# Allegro board RK_TABLET_DEMO1_RK3576_LP4XD200P132SD6_V12_20240530YWQ.brd (continued)
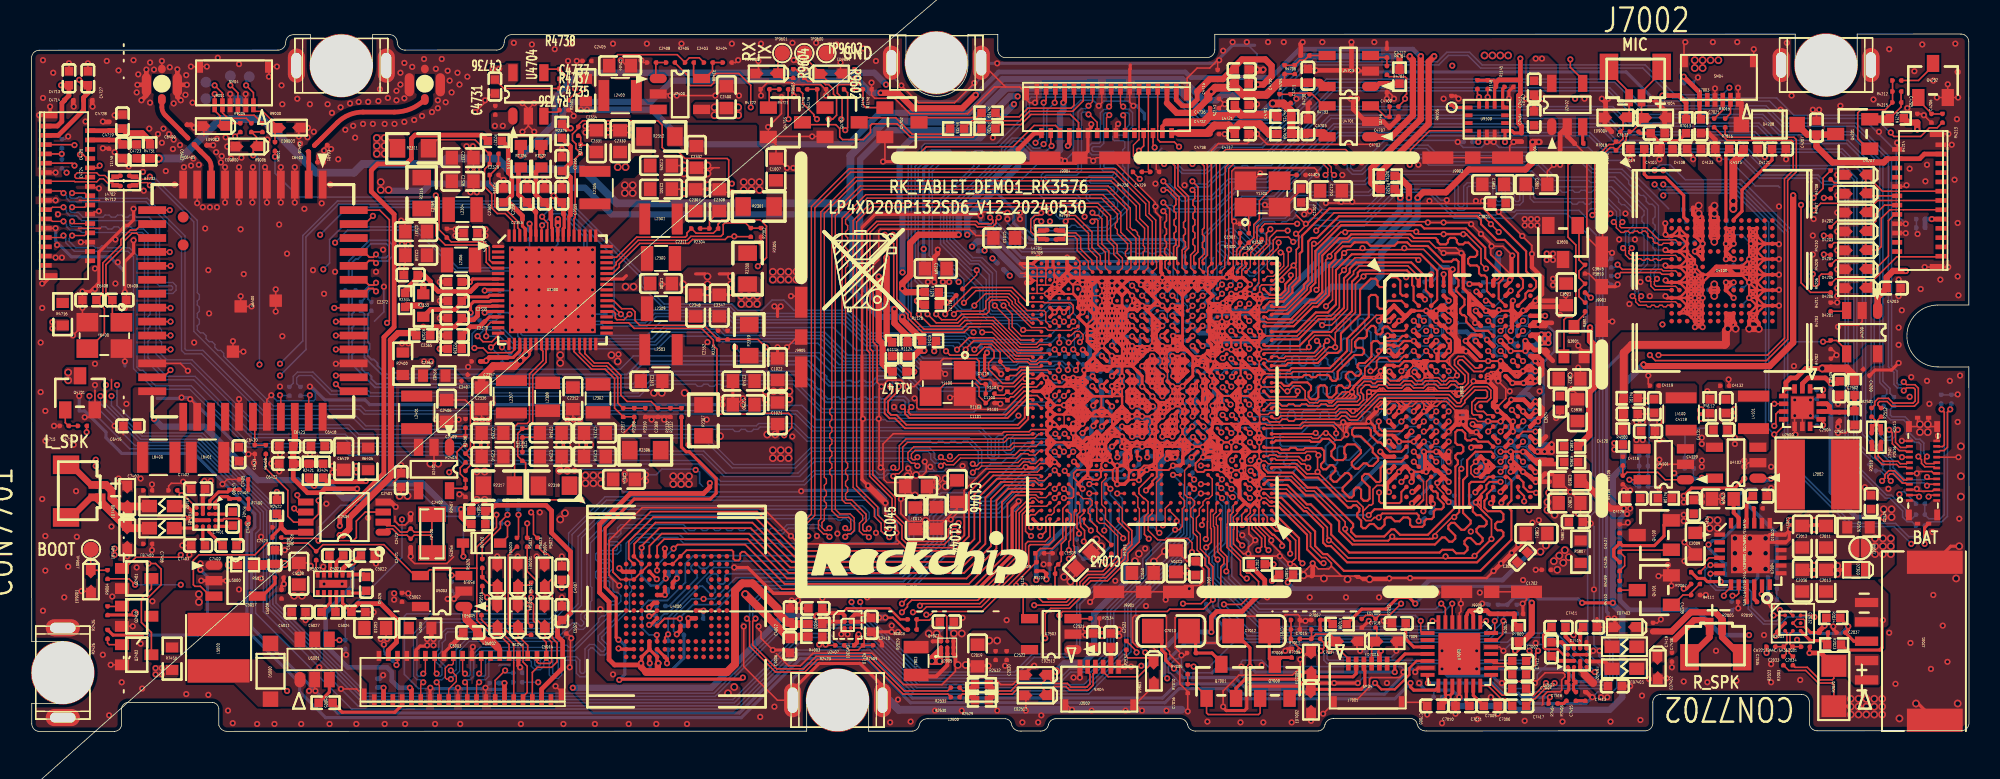
[diagram p0: board, top side]
## Routing (per net, layer and track width the routed paths; a pad name or vN(x,y) marks a point on that pad's centre or on a via; arc(x,y) is an arc through that point) (continued)
PCIE0_RXN: length 52.3
  TOP w0.117: U1000.R29 64.57,21.47 64.21,21.47 62.98,20.24 56.64,20.24 56.37,20.51 56.37,20.8 v1(56.21,20.95)
  BOTTOM w0.117: C6412.2 20.47,28.28 20.47,23.93 22.17,22.22 38.92,22.22 39.73,23.04 49.51,23.04 51.29,21.26 55.25,21.26 55.4,21.41 56.25,21.41 56.38,21.28 56.38,21.12 v1(56.21,20.95)
PCIE0_RXP: length 53.6
  TOP w0.102: U1000.R28 64.89,21.69 64.52,21.69
  TOP w0.117: 64.52,21.69 64.12,21.69 62.89,20.47 56.73,20.47 56.59,20.61 56.59,20.77 v1(56.77,20.95)
  BOTTOM w0.117: v1(56.77,20.95) 56.6,21.12 56.6,21.38 56.35,21.64 55.31,21.64 55.16,21.48 54.83,21.48 54.72,21.59 54.39,21.59 54.28,21.48 53.95,21.48 53.84,21.59 53.51,21.59 53.41,21.48 53.08,21.48 52.97,21.59 52.64,21.59 52.53,21.48 52.19,21.48 52.08,21.59 51.75,21.59 51.64,21.48 51.38,21.48 51.14,21.72 51.14,21.87 50.91,22.1 50.76,22.1 50.53,22.33 50.53,22.49 50.29,22.72 50.14,22.72 49.6,23.26 39.64,23.26 38.82,22.45 22.26,22.45 21.94,22.77 21.94,22.92 21.7,23.15 21.55,23.15 21.31,23.4 21.31,23.55 21.07,23.78 20.92,23.78 20.69,24.02 20.69,24.35 20.8,24.45 20.8,24.78 20.69,24.89 20.69,25.22 20.8,25.33 20.8,25.66 20.69,25.77 20.69,26.1 20.8,26.2 20.8,26.53 20.69,26.64 20.69,26.97 20.8,27.08 20.8,27.41 20.69,27.51 20.69,28.28 C6411.2
PCIE0_TXN: length 53
  TOP w0.102: 64.44,21.15 64.89,21.15 U1000.P28
  TOP w0.117: v1(55.96,22.28) 55.81,22.12 55.81,21.87 55.27,21.33 55.27,20.63 55.45,20.45 55.81,20.45 56.45,19.81 63.64,19.81 64.09,20.25 64.09,20.9 64.33,21.15 64.44,21.15
  BOTTOM w0.117: v1(55.96,22.28) 55.78,22.46 55.78,22.71 55.53,22.96 54.6,22.96 54.19,22.55 53.86,22.55 53.75,22.66 53.42,22.66 53.32,22.55 52.99,22.55 52.88,22.66 52.55,22.66 52.44,22.55 51.53,22.55 51.3,22.78 51.3,22.93 51.06,23.17 50.91,23.17 50.16,23.92 39.28,23.92 38.42,23.06 23.78,23.06 23.67,23.16 23.34,23.16 23.23,23.06 22.9,23.06 22.32,23.64 22.32,23.79 22.09,24.02 21.94,24.02 21.7,24.26 21.7,24.59 21.81,24.69 21.81,25.02 21.7,25.13 21.7,26.96 C6414.2
PCIE0_TXP: length 52.2
  TOP w0.117: U1000.P29 64.56,20.92 64.43,20.92 64.31,20.81 64.31,20.16 63.73,19.58 56.35,19.58 55.71,20.22 55.36,20.22 55.04,20.54 55.04,21.42 55.58,21.96 55.58,22.09 v1(55.4,22.28)
  BOTTOM w0.117: v1(55.4,22.28) 55.56,22.43 55.56,22.62 55.44,22.73 54.69,22.73 54.28,22.33 51.44,22.33 50.07,23.7 39.37,23.7 38.51,22.83 22.81,22.83 21.48,24.17 21.48,26.96 C6413.2
PCIE0_WAKEN_M1: length 85.3
  TOP w0.102: v1(8.97,23.34) 8.51,22.88 7.8,22.88 U6400.24 ; v1(56.87,7.7) 57.39,7.7 57.75,8.05 61.29,8.05 64.14,10.9 64.14,12.12 64.29,12.27 65.41,12.27 65.72,12.57 U1000.A27
  L4-SIG w0.102: v1(56.87,7.7) 56.95,7.62 56.95,7.47 56.87,7.39 56.87,5.97 56.21,5.31 52.05,5.31 51.39,5.97 49.39,5.97 48.12,4.7 44.87,4.7 41.41,1.24 15.01,1.24 8.46,7.8 8.46,22.83 v1(8.97,23.34)
PDM1_CLK0_M1: length 71.6
  TOP w0.102: 77.33,15.15 77.48,15.15 v1(77.5,15.14) 77.35,15.14 77.33,15.15 ; 77.33,15.15 U1000.1B5 ; R7015.1 109.28,38.6 109.51,38.38 113.72,38.38 113.87,38.23 113.87,36.14 113.31,35.58 113.31,25.32 111.94,23.95 104.78,23.95 v1(104.42,24.31)
  L4-SIG w0.102: v1(77.5,15.14) 77.3,14.93 77.3,11.96 78.06,11.2 78.06,9.73 78.77,9.02 86.95,9.02 87.25,9.32 94.11,9.32 97.62,12.83 98.38,12.83 99.44,13.89 99.44,14.66 100.16,15.37 100.16,21.89 102.58,24.31 v1(104.42,24.31)
PDM1_SDI1_M1: length 69.6
  TOP w0.089: U1000.B6 77.17,14.18 77.17,13.42 77.14,13.39 77.14,13.18
  TOP w0.102: v1(78.41,9.88) 78.26,9.88 78.01,10.13 78.01,11.02 77.14,11.89 77.14,13.18 ; v1(104.98,24.31) 112.01,24.31 113.11,25.41 113.11,35.69 113.67,36.25 113.67,38.07 113.57,38.18 109.42,38.18 R7016.1
  L4-SIG w0.102: v1(104.98,24.31) 104.57,24.71 102.7,24.71 99.95,21.97 99.95,15.47 99.24,14.76 99.24,14.05 98.22,13.03 97.51,13.03 94.01,9.52 87.15,9.52 86.9,9.27 79.02,9.27 v1(78.41,9.88)
PMIC1_FB5: length 11.8
  TOP w0.102: U2300.47 37.5,29.92 37.72,30.15 37.72,30.3 39.14,31.72 42.29,31.72 42.55,31.98 44.48,31.98 44.63,32.13 44.63,32.74 44.73,32.84 46.07,32.84 R2302.2 R2305.1
PMIC1_SW5: length 1.4
  TOP w0.203: 38.38,29.44 38.17,29.22 U2300.45
PMIC_EXT_EN_OUT: length 62.2
  TOP w0.102: v1(46.41,40.31) 46.41,41.73 45.65,42.49 44.17,42.49 44.02,42.34 44.02,41.89 43.85,41.72 42.5,41.72 42.4,41.82 42.4,42.31 R2405.1 ; v1(38.59,26.95) 38.23,26.59 37.77,26.59 37.67,26.69 37.67,27 37.55,27.12 U2300.39 ; v1(26.95,16.74) 27.46,17.25 27.46,18.06 27.91,18.5 R2406.1
  L3-POWER w0.102: v1(38.59,26.95) 39.25,27.61 39.25,36.75 43.21,40.72 46,40.72 v1(46.41,40.31)
  L4-SIG w0.102: v1(38.59,26.95) 38.03,26.39 26.55,26.39 24.72,24.56 23.5,24.56 23.29,24.76 23.29,26.64 23.19,26.75 22.74,26.75 22.53,26.54 22.53,22.73 26.95,18.31 v1(26.95,16.74)
PMIC_FB6: length 7.3
  TOP w0.102: R2310.1 R2308.2 C2317.2 38.16,20.87 37.82,21.21 37.82,22.88 37.11,23.6 36.23,23.6 35.36,24.47 U2300.31
PMIC_FB9: length 6.6
  TOP w0.102: U2300.66 31.51,32.39 31.37,32.53 31.37,32.94 30.66,33.65 30.15,33.65 29.9,33.91 29.9,35.08 29.57,35.4 R2315.1 30.12,36.49 R2313.2 C2329.2
PMIC_INT_L: length 45.8
  TOP w0.102: U2300.19 31.16,24.65 30.97,24.46 29.44,24.46 29.14,24.76 v1(28.58,24.76) ; U1000.1T21 67.52,23.47 v1(67.39,23.34)
  BOTTOM w0.102: v1(67.39,23.34) 67.04,23.7 66.73,23.7 66.53,23.9 65.87,23.9 65.76,23.8 63.68,23.8 63.53,23.65 57.38,23.65 56.92,24.1 52.5,24.1 51.03,25.58 44.73,25.58 44.33,25.98 41.02,25.98 40.21,25.17 31.27,25.17 30.31,26.14 28.88,26.14 28.43,25.68 28.43,24.92 v1(28.58,24.76)
PMIC_PWR_CTRL1: length 41.7
  TOP w0.089: 60.84,25.42 62.08,25.42 63.44,24.06 63.64,24.06 64.35,24.06 64.51,23.9 64.8,23.9 65.07,24.17 U1000.Y28
  TOP w0.102: 60.84,25.42 60.48,25.42 v1(59.72,24.66) ; v1(32.95,32.69) 32.95,32.64 32.91,32.6 U2300.62
  BOTTOM w0.089: v1(59.72,24.66) 59.46,24.92 55,24.92
  BOTTOM w0.102: 55,24.92 53.83,24.92 52.35,26.39 45.26,26.39 44.85,26.8 40.31,26.8 39.7,26.19 36.91,26.19 36.81,26.29 35.74,26.29 35.64,26.39 35.64,31.98 34.17,33.45 33.7,33.45 v1(32.95,32.69)
PMIC_PWR_CTRL2: length 119.7
  TOP w0.089: 60.79,25.22 62.02,25.22 63.37,23.87 63.56,23.87 64.27,23.87 64.43,23.71 64.88,23.71 65.06,23.89 65.6,23.89 U1000.1T24
  TOP w0.102: Q3801.1 98.88,26.59 99.04,26.75 99.39,26.75 99.65,27 99.65,31.42 99.14,31.93 99.14,36.75 v1(99.19,36.8) ; U2300.61 33.26,32.38 33.3,32.43 33.3,32.84 32.95,33.2 v1(32.95,33.25) ; 60.79,25.22 60.28,24.71 v1(60.28,24.66)
  L4-SIG w0.089: v1(60.79,25.78) 60.28,25.27 v1(60.28,24.66)
  L4-SIG w0.102: v1(99.19,36.8) 98.99,37.01 96.09,37.01 95.79,36.7 90.55,36.7 89.39,37.87 82.53,37.87 80.29,35.64 77.19,35.64 75.87,34.31 74.25,34.31 73.99,34.57 72.77,34.57 72.55,34.34 71.53,34.34 70.39,35.48 60.27,35.48 59.21,36.54 59.21,37.36 59.11,37.46 56.87,37.46 v1(56.52,37.11)
  BOTTOM w0.089: v1(60.79,25.78) 60.63,25.93 56.91,25.93 56.57,26.27 56.57,26.42 ; v1(60.28,24.66) 59.82,25.12 55,25.12
  BOTTOM w0.102: v1(32.95,33.25) 33.35,33.65 34.27,33.65 35.84,32.08 35.84,26.59 35.94,26.49 36.91,26.49 37.01,26.39 39.6,26.39 40.21,27 44.94,27 45.34,26.59 52.45,26.59 53.93,25.12 55,25.12 ; v1(56.52,37.11) 56.57,37.06 56.57,30.36 56.57,30.36 56.57,26.42
PMIC_VDC: length 9.1
  TOP w0.102: R2330.2 C2368.1 R2332.1 39.98,21.31 38.43,21.31 38.03,21.72 38.03,22.99 37.21,23.8 36.32,23.8 35.71,24.41 U2300.32
PMUIO0_VCC1V8: length 23.6
  TOP w0.203: R1121.1 59.21,27.71 v1(59.06,27.71) ; v1(61.5,23.09) 61.5,24.31 v1(61.65,24.46)
  TOP w0.229: U1000.2K11 v1(69.07,24.25)
  TOP w0.406: v1(59.06,27.71) 58.7,27.71 R1126.1 R1125.1
  L4-SIG w0.203: v1(61.65,24.46) 61.8,24.61 61.8,26.9 61.85,26.95
  L4-SIG w0.305: v1(69.07,24.25) 68.51,24.81 68.51,25.02 67.95,25.58 65.36,25.58 64.9,26.03
  L4-SIG w0.406: 64.9,26.03 63.99,26.95 60.23,26.95 59.46,27.71 v1(59.06,27.71)
  BOTTOM w0.203: v1(61.65,24.46) 61.65,24.64 R1105.1 62.03,24.61 R2411.1 ; R1127.1 61.88,23.09 v1(61.5,23.09) ; 61.48,23.11 v1(61.5,23.09) ; v1(61.5,23.09) 61.5,23.02 R1128.1
  BOTTOM w0.305: v1(69.07,24.25) 68.93,24.38 C1103.1
PMUIO1_VCC: length 12
  TOP w0.229: U1000.1U20 v1(67.83,24.65)
  TOP w0.305: v1(58.25,24.56) 58.24,24.57 58.24,25.09 R1141.1
  L4-SIG w0.178: v1(67.83,24.65) 67.44,24.26 65.75,24.26
  L4-SIG w0.305: 65.75,24.26 62.41,24.26 61.95,23.8 58.55,23.8 58.25,24.1 v1(58.25,24.56)
  BOTTOM w0.305: v1(67.83,24.65) 67.86,24.62 C1106.1
PROX_INT: length 126.5
  TOP w0.089: v1(70.44,12.47) 70.44,12.57 69.3,13.71 69.3,14.41 69.05,14.66 69.05,16.08 69.32,16.35 U1000.1D18
  TOP w0.102: J4701.29 65.46,40.77 v1(65.31,40.61)
  L4-SIG w0.102: v1(70.44,12.47) 70.44,11 71.3,10.13 72.94,10.13 76.8,6.27 81,6.27 81.51,5.77 88.32,5.77 88.52,5.56 96.38,5.56 102.39,11.57 102.39,17.31 102.9,17.82 102.9,19.84 103.66,20.6 105,20.6 108.79,24.39 108.79,25.98 109.81,27 110.72,27 111.59,27.86 111.59,34.3 109.54,36.35 108.43,36.35 108.28,36.5 108.28,37.56 106.61,39.24 98.73,39.24 97.87,40.11 81.41,40.11 79.53,38.23 76.23,38.23 75.52,38.94 72.04,38.94 70.36,37.26 65.48,37.26 64.78,37.95 v1(64.78,38.02)
  BOTTOM w0.102: v1(64.78,38.02) 65.31,38.55 v1(65.31,40.61)
PWR: length 5.6
  TOP w0.102: v1(13.85,41.73) 14.32,41.26 J9001.1 14.32,40.16 14.42,40.06 14.91,40.06 ED9003.1 15.71,38.7 R9006.2
  BOTTOM w0.102: TP9002.1 13.85,42.09 v1(13.85,41.73)
PWRON_L: length 57.9
  TOP w0.102: R9006.1 v1(15.71,37.13) ; v1(26.09,34.62) 26.14,34.57 26.19,34.57 26.29,34.47 26.29,32.41 C2369.1 27.08,31.62 29.19,31.62 29.54,31.27 29.54,30.45 29.72,30.27 U2300.4 ; Q2400.3 7.45,7.73 7.45,8.56 8.36,9.47 8.36,10.49 8,10.85 v1(7.55,10.85)
  L4-SIG w0.102: v1(7.55,10.85) 7.39,11 7.39,16.74 6.94,17.2 6.94,33.1 8.56,34.72 14.1,34.72 15.71,36.33 v1(15.71,37.13)
  BOTTOM w0.102: v1(26.09,34.62) 25.99,34.52 17.25,34.52 15.71,36.06 v1(15.71,37.13)
RESET_L: length 67.2
  TOP w0.089: R1107.1 62.5,23.83 C1119.1 62.5,24.47 61.95,25.02 61.24,25.02 60.89,24.66 v1(60.84,24.66) ; U1000.W28 65.07,23.53 64.24,23.53 64.23,23.54
  TOP w0.102: v1(13.13,38.43) 13.43,38.72 R9005.1 ; v1(38.03,26.95) 37.5,27.47 U2300.40 ; R1107.1 63.6,23.36 63.78,23.54 64.23,23.54
  L4-SIG w0.102: v1(13.13,38.43) 13.69,37.87 16.08,37.87 18.27,35.69 18.27,32.44 v1(18.62,32.08)
  BOTTOM w0.089: 55,25.32 60.12,25.32 60.79,24.66 v1(60.84,24.66) 60.99,24.82 R1105.2
  BOTTOM w0.102: 55,25.32 54.03,25.32 52.56,26.8 45.43,26.8 45.02,27.2 40.11,27.2 39.5,26.59 38.38,26.59 v1(38.03,26.95) C2366.1 37.59,30.64 34.37,33.85 20.39,33.85 v1(18.62,32.08)
RST_KEY: length 4.1
  TOP w0.102: R9005.2 12.53,39.27 ED9002.1 12.17,39.33 12.17,39.75 11.82,40.1 J9001.6 v1(11.82,41.17)
  BOTTOM w0.102: v1(11.82,41.17) 11.51,40.87 TP9006.1
RTC_INT: length 38.9
  TOP w0.102: v1(9.63,11.4) 9.48,11.25 6.73,11.25 6.01,10.53 Q2401.1 ; R2428.2 16.15,12.47 18.37,12.47 v1(18.52,12.32) 20.75,12.32 20.96,12.52 20.96,13.59 21.54,14.17 U2404.3
  TOP w0.203: v1(27.87,11.3) 27.84,11.33 D2400.2
  L4-SIG w0.102: v1(9.63,11.4) 10.44,12.22 18.42,12.22 v1(18.52,12.32)
  BOTTOM w0.102: v1(18.52,12.32) 18.52,13.18 19.94,14.6 21.52,14.6 22.53,15.62 24.92,15.62 26.65,13.89 27.87,13.89 ; R2427.2 29.27,13.89 27.87,13.89 ; v1(27.87,11.3) 27.87,13.89
RTC_INT_L: length 45.6
  TOP w0.102: D2400.1 30.31,12.17 30.71,12.57 v1(30.71,13.43) ; v1(59.01,24.56) 59.26,24.31 60.99,24.31 61.5,24.82 61.85,24.82 62.11,24.56 62.11,24.15 61.75,23.8 61.75,23.39 62.66,22.48 63.32,22.48 63.96,23.11 64.57,23.11 U1000.V29
  L4-SIG w0.089: 55,25.08 55.21,25.28 58.34,25.28 59.01,24.61 v1(59.01,24.56)
  L4-SIG w0.102: 55,25.08 50.17,20.24 47.17,20.24 44.58,17.65 33.96,17.65 33.35,17.04 33.35,14.08 33.06,13.79 31.84,13.79 31.48,13.43 v1(30.71,13.43)
  BOTTOM w0.102: v1(30.71,13.43) 30.71,13.44 R2427.1
SAI1_LRCK_M0: length 22
  TOP w0.102: v1(76.82,15.07) U1000.1B6 ; v1(90.4,7.14) 90.7,7.14 U7000.7
  BOTTOM w0.102: v1(90.4,7.14) 90.05,6.78 79.43,6.78 76.33,9.88 76.33,10.79 76.18,10.95 76.18,11.3 77.04,12.17 77.04,14.71 76.82,14.93 v1(76.82,15.07)
SAI1_MCLK_M0: length 27.4
  TOP w0.102: U1000.1D6 76.78,16.3 v1(76.81,16.28) ; U7000.1 93.77,7.05 v1(93.86,7.14)
  BOTTOM w0.102: v1(93.86,7.14) 93.86,7.04 93.4,6.58 79.33,6.58 76.13,9.78 76.13,10.69 75.97,10.85 75.97,11.45 76.84,12.32 76.84,14.55 76.44,14.95 76.44,15.91 v1(76.81,16.28)
SAI1_SCLK_M0: length 23.8
  TOP w0.102: v1(76.77,15.72) 76.77,15.72 U1000.1C6 ; v1(91.67,8.25) 91.67,7.06 U7000.5
  BOTTOM w0.102: v1(76.77,15.72) 76.8,15.69 77.17,15.32 77.17,14.93 77.24,14.86 77.24,11 76.74,10.49 76.74,10.08 79.12,7.7 91.11,7.7 v1(91.67,8.25)
SAI1_SDI0_M0: length 20.5
  TOP w0.089: U1000.1A6 76.43,14.69 76.43,14.16 76.26,13.98 76.26,13.25 76.33,13.18
  TOP w0.102: v1(76.53,11.1) 76.33,11.3 76.33,13.18 ; U7000.8 89.74,6.35 89.64,6.45 v1(89.64,7.14)
  BOTTOM w0.102: v1(76.53,11.1) 76.53,9.98 79.02,7.49 89.28,7.49 v1(89.64,7.14)
SAI1_SDO0_M0: length 20.1
  TOP w0.102: U7000.6 91.23,7.99 v1(90.96,8.26) ; U1000.A7 76.74,13.7 76.74,11.69 77.14,11.29 77.14,10.39 v1(77.09,10.34)
  BOTTOM w0.102: v1(77.09,10.34) 77.24,10.18 77.24,9.88 79.23,7.9 90.6,7.9 v1(90.96,8.26)
SAI2_LRCK_M0: length 88.1
  TOP w0.102: v1(8.97,25.58) 7.79,25.58 U6400.21 ; v1(57.32,8.12) 57.45,8.25 61.19,8.25 63.93,11 63.93,14.03 64,14.1 64.45,14.55 65.49,14.55 U1000.1A24
  L4-SIG w0.102: v1(57.32,8.12) 57.25,8.05 56.73,8.05 56.51,7.84 56.51,7.49 56.52,7.49 56.67,7.34 56.67,6.07 56.11,5.51 52.2,5.51 51.54,6.17 49.3,6.17 48.03,4.9 44.78,4.9 41.33,1.45 15.12,1.45 8.66,7.9 8.66,22.53 9.32,23.19 9.32,25.22 v1(8.97,25.58)
SAI2_SCLK_M0: length 82
  TOP w0.102: U1000.1D22 66.67,16.82 v1(66.67,16.83) ; v1(8.97,24.67) U6400.22
  L4-SIG w0.089: 67.24,14.81 67.24,16.26 v1(66.67,16.83)
  L4-SIG w0.102: v1(8.97,24.67) 8.61,25.03 8.61,27.61 8.72,27.71 12.73,27.71 16.39,24.05 16.39,14.15 16.74,13.79 19.89,13.79 23.14,10.54 34.78,10.54 37.77,13.54 55.81,13.54 57.23,12.12 64.19,12.12 64.24,12.06 65.36,12.06 65.97,12.67 65.97,13.54 67.24,14.81
SAI2_SDI_M0: length 89.5
  TOP w0.089: 64.31,14.99 64.4,14.99 64.51,15.09 64.73,15.09 65,14.82 U1000.C28
  TOP w0.102: U6400.19 8.95,27.37 v1(8.97,27.36) ; v1(56.16,8.25) 56.58,8.68 60.95,8.68 63.53,11.25 63.53,14.2 64.31,14.99
  L4-SIG w0.102: v1(56.16,8.25) 55.81,7.9 55.81,7.44 56.26,6.98 56.26,6.27 55.91,5.92 53.11,5.92 53.01,6.02 53.01,6.53 52.91,6.63 49.1,6.63 48.39,5.92 45.19,5.92 41.13,1.85 15.32,1.85 9.07,8.1 9.07,22.33 9.73,22.99 9.73,26.59 v1(8.97,27.36)
SAI2_SDO_M0: length 87.7
  TOP w0.102: U1000.C29 64.55,14.76 64.38,14.76 63.73,14.11 63.73,11.15 61.06,8.47 56.79,8.47 56.52,8.2 56.52,8.05 v1(56.16,7.7) ; U6400.20 v1(8.97,26.47)
  L4-SIG w0.102: v1(56.16,7.7) 56.16,7.44 56.47,7.14 56.47,6.17 56.01,5.71 52.3,5.71 51.64,6.37 49.2,6.37 48.54,5.71 45.29,5.71 41.23,1.65 15.22,1.65 8.87,8 8.87,22.43 9.53,23.09 9.53,25.91 v1(8.97,26.47)
SARADC_AVDD1V8: length 35.2
  TOP w0.203: v1(70.07,17.71) 70.04,17.74 U1000.2A10 ; v1(65.49,9.82) R1102.1 65.31,10.37 R1104.1
  TOP w0.406: R1147.1 v1(56.95,23.24)
  L4-SIG w0.089: 70.69,18.67 70.69,17.93 70.47,17.71 v1(70.07,17.71) 70.07,18.24 70.04,18.26 70.04,18.67 ; 70.69,18.67 70.55,18.67 70.5,18.72 70.2,18.72 70.15,18.67 70.04,18.67 ; 70.69,18.67 70.69,19.18 70.5,19.37 70.23,19.37 69.99,19.61 69.83,19.61 70.04,19.4 70.04,18.67
  L4-SIG w0.406: v1(56.95,23.24) 56.95,23.19 59.67,20.47 62.69,20.47 63.1,20.88 66.04,20.88 66.57,20.35 69.09,20.35 69.83,19.61
  BOTTOM w0.152: C1116.1 70.49,17.95 70.74,17.7 70.74,17.21 70.34,16.81 67.8,16.81 67.38,16.4 67.38,14.04 R9600.1 65.68,11.55 65.68,9.97 65.53,9.82 v1(65.49,9.82)
  BOTTOM w0.305: v1(70.07,17.71) 70.31,17.95 C1116.1
SARADC_VIN0_BOOT: length 77.9
  TOP w0.102: U1000.A25 66.74,13.65 66.74,12.41 66.44,12.11 C1108.1 66.44,11 R1103.1 66.04,10.59 R1102.2 66.04,9.09 v1(65.87,8.91) ; v1(6.68,9.47) 6.3,9.86 R9004.1
  L4-SIG w0.102: v1(9.63,9.47) 9.63,8.15 15.52,2.26 40.92,2.26 45.09,6.43 47.2,6.43 47.3,6.53 47.3,7.93 48.59,9.22 51.29,9.22 51.84,8.66 51.84,8 52.15,7.7 53.76,7.7 55.59,9.52 61.9,9.52 64.24,7.19 65.28,7.19 65.87,7.77 v1(65.87,8.91)
  BOTTOM w0.102: v1(9.63,9.47) v1(6.68,9.47)
SARADC_VIN1_KEY/RECOVERY: length 88.8
  TOP w0.102: U1000.1A22 66.54,14.39 66.54,12.5 65.86,11.82 65.09,11.82 C1109.1 64.85,11.43 R1104.2 64.82,10.92 63.53,9.63 v1(63.53,9.42) ; v1(14.3,37.21) 14.3,37.7 14.4,37.8 ED9000.1 14.51,38.39 R9001.1 R9000.1
  L4-SIG w0.102: v1(63.53,9.42) 63.48,9.42 62.46,10.44 47.88,10.44 47.22,9.78 42.95,9.78 41.94,10.79 40.26,10.79 38.69,9.22 38.69,8.97 37.98,8.25 36.15,8.25 35.79,7.9 33.37,7.9 32.79,8.47 32.79,8.91 32.69,9.02 29.14,9.02 27.87,7.75 22.74,7.75 19.13,11.35 19.13,12.72 18.67,13.18 16.18,13.18 14.71,14.66 v1(14.71,23.7)
  BOTTOM w0.102: v1(14.71,23.7) 14.71,36.96 14.46,37.21 v1(14.3,37.21)
SARADC_VIN2_HW_ID: length 2.2
  TOP w0.102: U1000.1B19 v1(68.25,15.37)
  BOTTOM w0.102: v1(68.25,15.37) 68.32,15.3 C1110.1 R9601.1 R9600.2
SARADC_VIN3_HP_HOOK: length 23.2
  TOP w0.102: U1000.1C19 v1(68.25,15.97) ; C7017.1 R7011.1 R7009.2 81.27,5.91 81.82,5.36 v1(81.82,5.21)
  L4-SIG w0.102: v1(81.82,5.21) 81.77,5.26 81.36,5.26 80.75,5.87 75.9,5.87 73.84,7.93 73.84,8.36 72.93,9.27 71.81,9.27 70.13,10.95 70.13,12.06 v1(69.22,12.98)
  BOTTOM w0.089: C1111.1 68.43,16.14 v1(68.25,15.97)
  BOTTOM w0.102: v1(69.22,12.98) 69.22,13.94 68.66,14.5 68.66,15.56 v1(68.25,15.97)
SD_CMD: length 4.9
  TOP w0.102: J4201.14 118.51,34.59 D4202.1 118.35,35.13 118.25,35.23 116.31,35.23 R4207.2
SD_D0: length 9.8
  TOP w0.089: 120.79,33.69 119.98,33.69
  TOP w0.102: J4201.11 120.79,33.69 ; 119.98,33.69 119.9,33.69 119.36,33.15 119.36,31.32 119.13,31.09 D4205.1 118.35,31.47 118.25,31.57 116.31,31.57 R4209.2
SD_D1: length 6
  TOP w0.102: R4210.2 116.46,32.94 118.25,32.94 118.35,32.84 D4204.1 119,32.96 119,33.44 119.56,33.99 J4201.12
SD_D2: length 8.2
  TOP w0.089: 120.81,34.89 119.94,34.89
  TOP w0.102: R4208.2 116.33,35.43 118.25,35.43 118.35,35.53 D4207.1 119.43,34.89 119.94,34.89 ; J4201.15 120.81,34.89
SD_D3: length 7.7
  TOP w0.102: R4206.2 116.41,30.45 118.25,30.45 118.35,30.35 D4206.1 118.98,29.87 119.81,30.71 119.81,32.99 120.21,33.39 J4201.10
SD_DET: length 8.7
  TOP w0.102: J4201.1 123.22,30.66 120.35,30.66 D4201.1 118.35,29.13 118.25,29.23 116.41,29.23 R4211.2
SDMMC0_CLK: length 82.3
  TOP w0.089: 119.95,34.29 120.81,34.29
  TOP w0.102: 120.81,34.29 J4201.13 ; 119.95,34.29 119.11,34.29 D4203.1 118.35,34.01 118.25,34.11 115.45,34.11 v1(114.99,33.65) ; v1(69.22,10.95) 69.68,11.4 R1353.2
  L4-SIG w0.102: v1(69.22,10.95) 71.61,8.56 72.06,8.56 72.72,7.9 73.29,7.9 75.78,5.41 80.19,5.41 80.46,5.14 80.46,4.99 80.17,4.71 80.17,4.56 80.32,4.42 80.46,4.42 80.75,4.71 80.89,4.71 81.41,4.19 86.79,4.19 87,4.39 98.16,4.39 101.17,7.4 101.17,9.42 104.68,12.93 104.68,15.87 106.66,17.86 110.42,17.86 110.67,18.11 110.67,23.55 113.97,26.85 113.97,32.03 113.87,32.13 113.41,32.13 113.31,32.23 113.31,32.44 113.41,32.54 113.87,32.54 v1(114.99,33.65)
SDMMC0_CMD: length 81.7
  TOP w0.089: 67.46,13.41 67.46,13.42 67.46,13.99 67.63,14.16 67.63,14.65 U1000.1A21
  TOP w0.102: 67.46,13.41 67.46,13.12 67.59,12.98 v1(67.59,12.78) ; v1(115.65,34.47) 116.08,34.47 R4207.1
  L4-SIG w0.102: v1(67.59,12.78) 67.29,12.47 67.29,11.2 72.77,5.71 74.28,5.71 77.43,2.56 90.35,2.56 91.06,3.28 93.86,3.28 94.16,3.58 98.99,3.58 100.26,4.85 101.31,4.85 104.02,7.55 104.02,11.05 105.49,12.52 105.49,15.01 106.25,15.77 110.98,15.77 111.48,16.28 111.48,23.12 115.29,26.93 115.29,32.44 115.75,32.89 115.75,34.31 115.65,34.42 v1(115.65,34.47)
  BOTTOM w0.102: R1361.2 67.44,12.62 v1(67.59,12.78)
SDMMC0_D0: length 78.4
  TOP w0.089: 67.24,13.48 67.27,13.51 67.27,14.18 U1000.B24
  TOP w0.102: R4209.1 116.08,30.81 v1(115.65,30.81) ; 67.24,13.48 67.24,12.01 67.29,11.96 67.29,11.51 v1(66.93,11.15)
  L4-SIG w0.102: v1(66.93,11.15) 67.03,11.15 72.67,5.51 74.18,5.51 77.33,2.36 90.45,2.36 91.16,3.07 94.41,3.07 94.72,2.77 98.61,2.77 100.49,4.65 101.43,4.65 104.22,7.43 104.22,10.95 105.69,12.42 105.69,14.86 106.4,15.57 111.18,15.57 111.69,16.08 111.69,23.03 115.75,27.09 115.75,30.71 v1(115.65,30.81)
  BOTTOM w0.102: R1360.2 v1(66.93,11.15)
SDMMC0_D1: length 80.5
  TOP w0.089: 67.03,13.54 67.03,13.56 67.08,13.61 67.08,14 U1000.B25 ; 67.03,12.37 66.93,12.27 66.93,11.86
  TOP w0.102: v1(115.65,32.03) 115.66,32.02 R4210.1 ; 66.93,11.86 v1(66.93,11.71) ; 67.03,13.54 67.03,12.37
  L4-SIG w0.102: v1(115.65,32.03) 116,31.67 116,27.06 115.95,27.01 115.95,27.01 111.89,22.94 111.89,15.47 110.87,14.45 106.15,14.45 105.9,14.2 105.9,12.32 104.42,10.85 104.42,7.35 101.52,4.44 100.59,4.44 98.71,2.56 94.62,2.56 94.31,2.87 91.27,2.87 90.55,2.16 76.46,2.16 73.31,5.31 72.49,5.31 67.1,10.69 66.73,10.69 66.53,10.9 66.53,11.3 v1(66.93,11.71)
SDMMC0_D2: length 80.1
  TOP w0.102: v1(114.99,34.47) 115.6,35.08 115.6,35.73 R4208.1 ; v1(68.35,12.98) 67.92,13.42 U1000.A23
  L4-SIG w0.102: v1(114.99,34.47) 115.55,33.91 115.55,33.15 114.58,32.18 114.58,26.81 111.08,23.3 111.08,17.04 110.77,16.74 106.61,16.74 105.08,15.21 105.08,12.72 103.61,11.25 103.61,7.8 101.58,5.77 100.15,5.77 98.37,3.99 93.81,3.99 93.5,3.68 89.79,3.68 89.59,3.48 79.53,3.48 79.02,3.99 79.02,4.44 78.51,4.95 75.66,4.95 74.5,6.12 73.03,6.12 68.2,10.95 68.2,11.71 68.25,11.76 68.25,12.88 v1(68.35,12.98)
SDMMC0_D3: length 76.9
  TOP w0.089: 67.69,13.43 67.65,13.47 67.65,13.84 67.92,14.11 U1000.B23
  TOP w0.102: R4206.1 116.05,29.54 115.5,29.54 115.34,29.39 115.34,28.88 115.22,28.76 115.01,28.76 114.94,28.83 v1(114.94,29.54) ; 67.69,13.43 67.69,13.23 67.95,12.98 67.95,12.32 v1(67.9,12.27)
  L4-SIG w0.102: v1(114.94,29.54) 114.94,26.87 111.28,23.22 111.28,16.48 110.77,15.98 106.15,15.98 105.29,15.11 105.29,12.62 103.81,11.15 103.81,7.7 101.68,5.56 100.25,5.56 98.47,3.78 94.01,3.78 93.7,3.48 90.96,3.48 90.25,2.77 77.56,2.77 74.41,5.92 72.88,5.92 67.54,11.25 67.54,11.91 v1(67.9,12.27)
SDMMC0_DET_L: length 90.8
  TOP w0.089: v1(60.99,29.79) 60.99,29.49 R1121.2
  TOP w0.102: R4211.1 114.8,28.36 114.18,28.98 v1(114.18,34.01) ; U1000.1U21 v1(67.22,24.67)
  L4-SIG w0.102: v1(114.18,34.01) 113.32,34.01 107.07,40.26 99.44,40.26 97.87,41.83 91.11,41.83 90.81,41.53 81.41,41.53 80.83,40.94 80.83,40.73 79.85,39.75 71.7,39.75 70.1,38.15 67.94,38.15 67.21,38.89 64.81,38.89 62.67,36.75 62.66,36.75 62.41,36.5 61.81,36.5 v1(61.15,37.16)
  BOTTOM w0.089: C1120.1 66.75,24.21 v1(67.22,24.67) 67.29,24.74 67.29,25.73 67.59,26.03 67.59,26.64 67.24,27 67.24,27.3 66.88,27.66 65.76,27.66 65.05,26.95 61.9,26.95 61.6,27.25 61.6,29.18 v1(60.99,29.79) 60.63,29.79 59.86,30.57
  BOTTOM w0.102: v1(61.15,37.16) 61.15,36.56 58.85,34.26 58.85,31.57 59.86,30.57
SDMMC0_PWREN_H: length 90.8
  TOP w0.089: U1000.1Y24 65.72,26.2 65.44,26.47 65.44,27.07 65.32,27.19 64.25,27.19 63.68,27.76 63.68,27.96 63.17,28.47 60.95,28.47 v1(60.16,27.69)
  TOP w0.102: v1(115.6,25.17) 116.01,25.17 R4202.1 116.48,25.25 117.12,24.61 U4200.4
  L4-SIG w0.102: v1(104.73,36.25) 88.73,36.25 87.51,37.46 82.73,37.46 80.5,35.23 77.4,35.23 75.21,33.04 72.16,33.04 70.13,35.08 60.1,35.08 58.3,36.88 v1(58.3,37.11)
  BOTTOM w0.089: v1(60.16,27.69) 60.16,29.2 59.46,29.9 58.77,29.9 58.1,30.57
  BOTTOM w0.102: v1(115.6,25.17) 113.72,25.17 113.52,25.37 113.52,32.44 110.32,35.64 106.71,35.64 105.74,36.6 105.08,36.6 v1(104.73,36.25) ; 58.1,30.57 57.92,30.75 57.92,36.32 58.3,36.7 v1(58.3,37.11)
SPI4_CLK_M3: length 58.4
  TOP w0.102: U1000.1B16 v1(70.05,15.37) ; v1(29.39,7.95) 29.18,7.95 29.06,8.07 R5016.1
  L4-SIG w0.102: v1(29.39,7.95) 31.47,7.95 32.34,7.09 34.74,7.09 38.55,3.28 41.33,3.28 45.9,7.85 46.56,7.85 48.34,9.63 51.9,9.63 52.91,8.61 v1(52.91,8.36)
  BOTTOM w0.102: v1(52.91,8.36) 52.96,8.31 52.96,8.15 57.48,3.63 63.53,3.63 64.7,4.8 67.01,4.8 67.64,5.44 67.64,8.2 70.08,10.64 70.08,12.98 70.39,13.28 70.39,15.04 v1(70.05,15.37)
SPI4_CSN0_M3: length 49.9
  TOP w0.089: 70.38,13.59 70.38,14.38 70,14.77 U1000.1A17
  TOP w0.102: v1(64.7,8.15) 66.88,8.15 67.85,9.12 67.85,9.52 68.25,9.93 69.32,9.93 70.54,11.15 70.54,11.61 71,12.06 71,12.98 70.38,13.59 ; R5017.1 v1(32.24,8.66)
  L4-SIG w0.102: v1(64.7,8.15) 64.29,8.15 62.21,10.24 48.09,10.24 46.31,8.46 45.6,8.46 41.02,3.89 38.84,3.89 35.03,7.7 33.28,7.7 32.32,8.66 v1(32.24,8.66)
SPI4_MISO_M3: length 56.5
  TOP w0.102: R5018.1 32.03,7.01 v1(32.03,7.95) ; U1000.1C18 v1(69.62,15.67)
  L4-SIG w0.102: v1(32.03,7.95) 32.69,7.29 34.83,7.29 38.64,3.48 41.23,3.48 45.8,8.05 46.48,8.05 48.25,9.83 52.05,9.83 53.47,8.41 v1(53.47,8.36)
  BOTTOM w0.102: v1(69.62,15.67) 69.62,15.27 70.18,14.71 70.18,13.39 69.88,13.08 69.88,10.74 67.44,8.31 67.44,5.61 66.83,5 64.6,5 63.43,3.83 57.58,3.83 53.52,7.9 53.52,8.31 v1(53.47,8.36)
SPI4_MOSI_M3: length 53.7
  TOP w0.102: v1(29.39,8.66) 29.09,8.97 R5019.1 ; v1(64.7,8.91) 65.25,8.36 66.78,8.36 67.64,9.22 67.64,9.63 68.15,10.13 69.22,10.13 70.34,11.25 70.34,11.71 70.79,12.17 70.79,12.88 70.12,13.55 U1000.A19
  L4-SIG w0.102: v1(64.7,8.91) 65.15,8.45 65.15,8.11 64.79,7.75 64.39,7.75 62.11,10.03 48.17,10.03 46.39,8.25 45.7,8.25 41.13,3.68 38.76,3.68 34.95,7.49 33.2,7.49 32.39,8.31 29.75,8.31 v1(29.39,8.66)
SPK_CTL_H: length 119.9
  TOP w0.089: U1000.B7 76.72,14.1 76.45,13.83 76.45,13.37 76.53,13.28
  TOP w0.102: v1(66.32,7.49) 66.32,7.54 66.53,7.75 73.28,7.75 73.43,7.9 75.62,7.9 v1(76.23,8.51) 76.74,9.02 76.74,10.64 76.94,10.85 76.94,11.2 76.53,11.61 76.53,13.28 ; U7402.A4 100.66,3.83 v1(100.87,3.83) ; U7400.A4 9.88,15.21 9.73,15.21 v1(9.68,15.26) 9.4,15.55 R7402.1
  L4-SIG w0.102: v1(9.68,15.26) 9.27,14.86 9.27,8.2 15.42,2.06 41.01,2.06 45.17,6.22 47.35,6.22 47.55,6.43 47.55,7.8 48.77,9.02 51.18,9.02 51.62,8.58 51.62,7.8 51.92,7.49 53.84,7.49 55.67,9.32 61.8,9.32 64.14,6.98 65.81,6.98 v1(66.32,7.49)